# Allegro board 20250806_UNOQ.brd (continued)
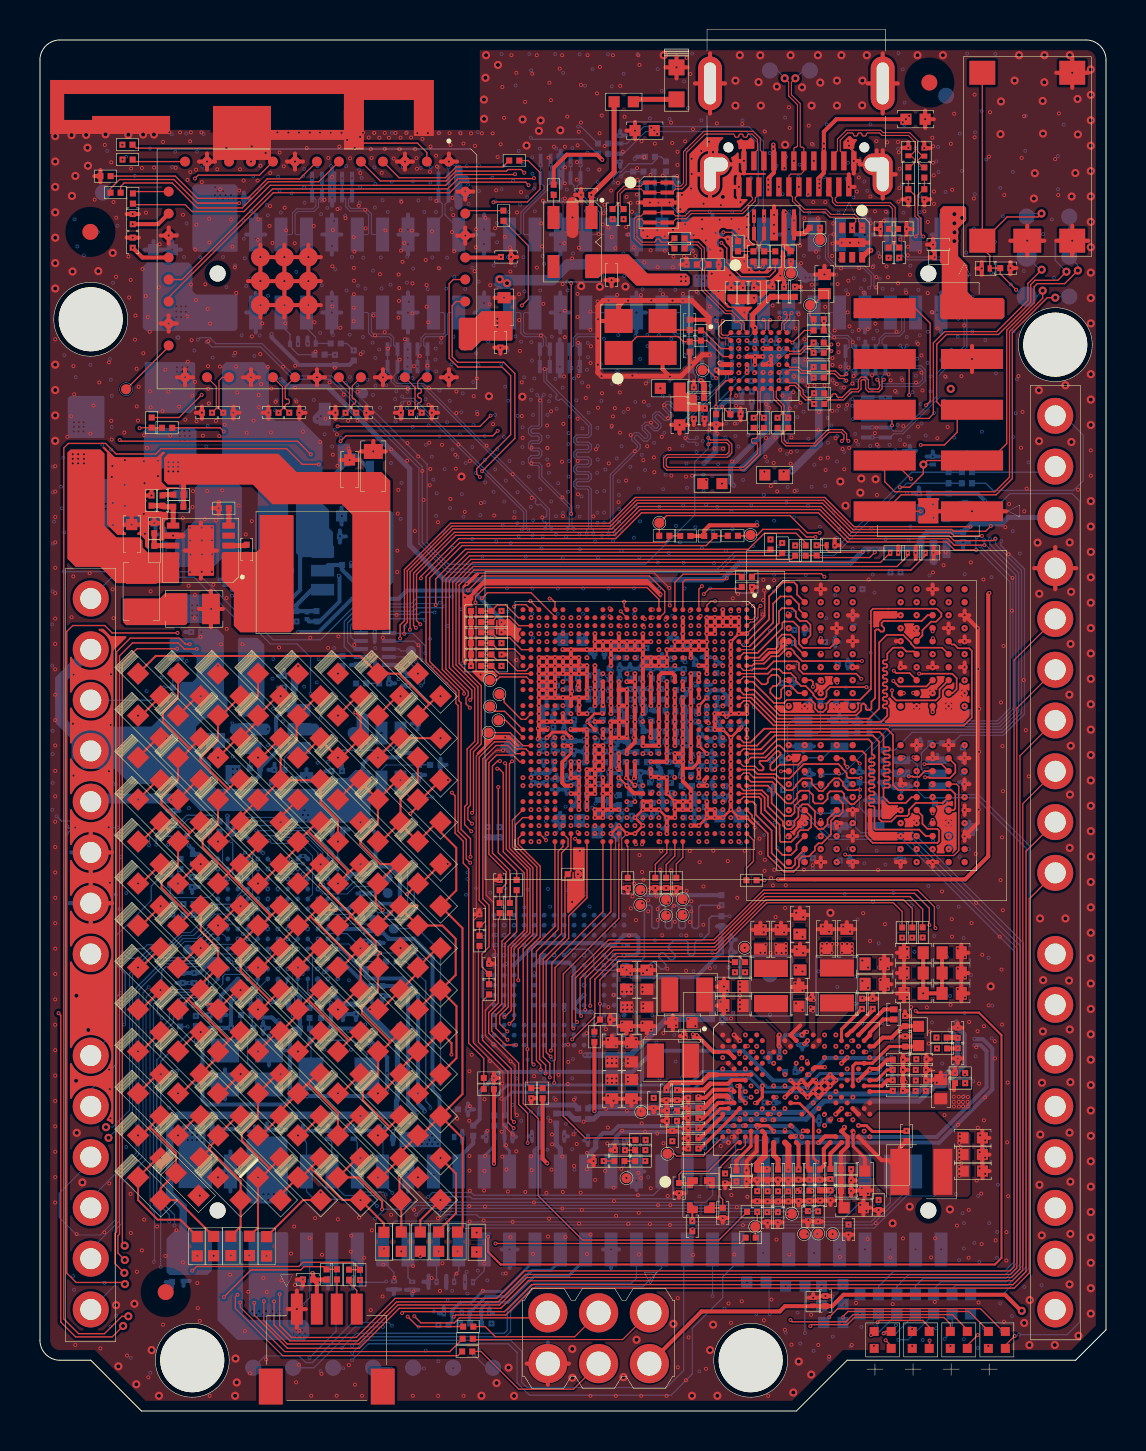
[diagram p0: board, top side]
## Footprints (pads in the part's own frame, mm; a bottom-side part is the same pattern mirrored in y, then rotated) (continued)
  round 0.25 smd: A1(5.8,-5.6) A2(5.4,-5.6) A3(5,-5.6) A4(4.6,-5.6) A5(4.2,-5.6) A7(3.4,-5.6) A8(3,-5.6) A10(2.2,-5.6) A11(1.8,-5.6) A13(1,-5.6) A14(0.6,-5.6) A15(0.2,-5.6) A16(-0.2,-5.6) A17(-0.6,-5.6) A19(-1.4,-5.6) A20(-1.8,-5.6) A22(-2.6,-5.6) A23(-3,-5.6) A25(-3.8,-5.6) A26(-4.2,-5.6) A27(-4.6,-5.6) A28(-5,-5.6) A29(-5.4,-5.6) A30(-5.8,-5.6) AA1(5.8,2.4) AA2(5.4,2.4) AA3(5,2.4) AA4(4.6,2.4) AA5(4.2,2.4) AA6(3.8,2.4) AA7(3.4,2.4) AA8(3,2.4) AA9(2.6,2.4) AA11(1.8,2.4) AA12(1.4,2.4) AA14(0.6,2.4) AA16(-0.2,2.4) AA17(-0.6,2.4) AA18(-1,2.4) AA19(-1.4,2.4) AA20(-1.8,2.4) AA21(-2.2,2.4) AA22(-2.6,2.4) AA23(-3,2.4) AA24(-3.4,2.4) AA25(-3.8,2.4) AA26(-4.2,2.4) AA27(-4.6,2.4) AA28(-5,2.4) AA29(-5.4,2.4) AA30(-5.8,2.4) AB1(5.8,2.8) AB2(5.4,2.8) AB3(5,2.8) AB4(4.6,2.8) AB5(4.2,2.8) AB7(3.4,2.8) AB8(3,2.8) AB9(2.6,2.8) AB10(2.2,2.8) AB11(1.8,2.8) AB12(1.4,2.8) AB13(1,2.8) AB14(0.6,2.8) AB20(-1.8,2.8) AB21(-2.2,2.8) AB22(-2.6,2.8) AB23(-3,2.8) AB24(-3.4,2.8) AB25(-3.8,2.8) AB26(-4.2,2.8) AB27(-4.6,2.8) AB28(-5,2.8) AB29(-5.4,2.8) AB30(-5.8,2.8) AC2(5.4,3.2) AC3(5,3.2) AC4(4.6,3.2) AC5(4.2,3.2) AC6(3.8,3.2) AC7(3.4,3.2) AC8(3,3.2) AC9(2.6,3.2) AC10(2.2,3.2) AC11(1.8,3.2) AC12(1.4,3.2) AC13(1,3.2) AC14(0.6,3.2) AC15(0.2,3.2) AC16(-0.2,3.2) AC17(-0.6,3.2) AC18(-1,3.2) AC20(-1.8,3.2) AC21(-2.2,3.2) AC22(-2.6,3.2) AC23(-3,3.2) AC24(-3.4,3.2) AC25(-3.8,3.2) AC26(-4.2,3.2) AC27(-4.6,3.2) AC28(-5,3.2) AC29(-5.4,3.2) AD1(5.8,3.6) AD2(5.4,3.6) AD3(5,3.6) AD4(4.6,3.6) AD5(4.2,3.6) AD6(3.8,3.6) AD7(3.4,3.6) AD8(3,3.6) AD9(2.6,3.6) AD10(2.2,3.6) AD11(1.8,3.6) AD12(1.4,3.6) AD13(1,3.6) AD14(0.6,3.6) AD15(0.2,3.6) AD17(-0.6,3.6) AD18(-1,3.6) AD19(-1.4,3.6) AD27(-4.6,3.6) AD28(-5,3.6) AD29(-5.4,3.6) AD30(-5.8,3.6) AE1(5.8,4) AE2(5.4,4) AE3(5,4) AE4(4.6,4) AE5(4.2,4) AE6(3.8,4) AE7(3.4,4) AE8(3,4) AE9(2.6,4) AE10(2.2,4) AE11(1.8,4) AE12(1.4,4) AE13(1,4) AE14(0.6,4) AE15(0.2,4) AE17(-0.6,4) AE18(-1,4) AE19(-1.4,4) AE20(-1.8,4) AE21(-2.2,4) AE22(-2.6,4) AE23(-3,4) AE24(-3.4,4) AE25(-3.8,4) AE26(-4.2,4) AE27(-4.6,4) AE28(-5,4) AE29(-5.4,4) AE30(-5.8,4) AF2(5.4,4.4) AF3(5,4.4) AF4(4.6,4.4) AF5(4.2,4.4) AF6(3.8,4.4) AF7(3.4,4.4) AF8(3,4.4) AF9(2.6,4.4) AF10(2.2,4.4) AF11(1.8,4.4) AF12(1.4,4.4) AF13(1,4.4) AF14(0.6,4.4) AF15(0.2,4.4) AF16(-0.2,4.4) AF17(-0.6,4.4) AF18(-1,4.4) AF19(-1.4,4.4) AF20(-1.8,4.4) AF21(-2.2,4.4) AF22(-2.6,4.4) AF23(-3,4.4) AF24(-3.4,4.4) AF25(-3.8,4.4) AF26(-4.2,4.4) AF27(-4.6,4.4) AF28(-5,4.4) AF29(-5.4,4.4) AG1(5.8,4.8) AG2(5.4,4.8) AG3(5,4.8) AG4(4.6,4.8) AG5(4.2,4.8) AG6(3.8,4.8) AG7(3.4,4.8) AG8(3,4.8) AG9(2.6,4.8) AG10(2.2,4.8) AG11(1.8,4.8) AG12(1.4,4.8) AG13(1,4.8) AG14(0.6,4.8) AG15(0.2,4.8) AG16(-0.2,4.8) AG17(-0.6,4.8) AG18(-1,4.8) AG19(-1.4,4.8) AG20(-1.8,4.8) AG21(-2.2,4.8) AG22(-2.6,4.8) AG23(-3,4.8) AG24(-3.4,4.8) AG25(-3.8,4.8) AG26(-4.2,4.8) AG27(-4.6,4.8) AG28(-5,4.8) AG29(-5.4,4.8) AG30(-5.8,4.8) AH1(5.8,5.2) AH2(5.4,5.2) AH3(5,5.2) AH4(4.6,5.2) AH5(4.2,5.2) AH6(3.8,5.2) AH7(3.4,5.2) AH8(3,5.2) AH9(2.6,5.2) AH10(2.2,5.2) AH11(1.8,5.2) AH12(1.4,5.2) AH13(1,5.2) AH14(0.6,5.2) AH15(0.2,5.2) AH16(-0.2,5.2) AH17(-0.6,5.2) AH18(-1,5.2) AH19(-1.4,5.2) AH20(-1.8,5.2) AH21(-2.2,5.2) AH22(-2.6,5.2) AH23(-3,5.2) AH24(-3.4,5.2) AH25(-3.8,5.2) AH26(-4.2,5.2) AH27(-4.6,5.2) AH28(-5,5.2) AH29(-5.4,5.2) AH30(-5.8,5.2) AJ1(5.8,5.6) AJ2(5.4,5.6) AJ4(4.6,5.6) AJ5(4.2,5.6) AJ7(3.4,5.6) AJ8(3,5.6) AJ10(2.2,5.6) AJ11(1.8,5.6) AJ13(1,5.6) AJ14(0.6,5.6) AJ16(-0.2,5.6) AJ17(-0.6,5.6) AJ19(-1.4,5.6) AJ20(-1.8,5.6) AJ22(-2.6,5.6) AJ23(-3,5.6) AJ25(-3.8,5.6) AJ26(-4.2,5.6) AJ28(-5,5.6) AJ29(-5.4,5.6) AJ30(-5.8,5.6) B1(5.8,-5.2) B2(5.4,-5.2) B3(5,-5.2) B4(4.6,-5.2) B5(4.2,-5.2) B6(3.8,-5.2) B7(3.4,-5.2) B8(3,-5.2) B9(2.6,-5.2) B10(2.2,-5.2) B11(1.8,-5.2) B12(1.4,-5.2) B13(1,-5.2) B14(0.6,-5.2) B15(0.2,-5.2) B16(-0.2,-5.2) B17(-0.6,-5.2) B18(-1,-5.2) B19(-1.4,-5.2) B20(-1.8,-5.2) B21(-2.2,-5.2) B22(-2.6,-5.2) B23(-3,-5.2) B24(-3.4,-5.2) B25(-3.8,-5.2) B26(-4.2,-5.2) B27(-4.6,-5.2) B28(-5,-5.2) B29(-5.4,-5.2) B30(-5.8,-5.2) C1(5.8,-4.8) C2(5.4,-4.8) C3(5,-4.8) C4(4.6,-4.8) C5(4.2,-4.8) C6(3.8,-4.8) C7(3.4,-4.8) C8(3,-4.8) C9(2.6,-4.8) C10(2.2,-4.8) C11(1.8,-4.8) C12(1.4,-4.8) C13(1,-4.8) C14(0.6,-4.8) C15(0.2,-4.8) C16(-0.2,-4.8) C17(-0.6,-4.8) C18(-1,-4.8) C19(-1.4,-4.8) C20(-1.8,-4.8) C21(-2.2,-4.8) C22(-2.6,-4.8) C23(-3,-4.8) C24(-3.4,-4.8) C25(-3.8,-4.8) C26(-4.2,-4.8) C27(-4.6,-4.8) C28(-5,-4.8) C29(-5.4,-4.8) C30(-5.8,-4.8) D1(5.8,-4.4) D2(5.4,-4.4) D3(5,-4.4) D4(4.6,-4.4) D5(4.2,-4.4) D6(3.8,-4.4) D7(3.4,-4.4) D8(3,-4.4) D9(2.6,-4.4) D10(2.2,-4.4) D11(1.8,-4.4) D12(1.4,-4.4) D13(1,-4.4) D14(0.6,-4.4) D15(0.2,-4.4) D16(-0.2,-4.4) D17(-0.6,-4.4) D18(-1,-4.4) D19(-1.4,-4.4) D20(-1.8,-4.4) D21(-2.2,-4.4) D22(-2.6,-4.4) D23(-3,-4.4) D24(-3.4,-4.4) D25(-3.8,-4.4) D26(-4.2,-4.4) D27(-4.6,-4.4) D28(-5,-4.4) D29(-5.4,-4.4) D30(-5.8,-4.4) E1(5.8,-4) E2(5.4,-4) E3(5,-4) E4(4.6,-4) E5(4.2,-4) E6(3.8,-4) E7(3.4,-4) E8(3,-4) E9(2.6,-4) E10(2.2,-4) E11(1.8,-4) E12(1.4,-4) E13(1,-4) E14(0.6,-4) E15(0.2,-4) E16(-0.2,-4) E17(-0.6,-4) E18(-1,-4) E19(-1.4,-4) E20(-1.8,-4) E21(-2.2,-4) E22(-2.6,-4) E23(-3,-4) E24(-3.4,-4) E25(-3.8,-4) E26(-4.2,-4) E27(-4.6,-4) E29(-5.4,-4) F1(5.8,-3.6) F2(5.4,-3.6) F3(5,-3.6) F4(4.6,-3.6) F5(4.2,-3.6) F6(3.8,-3.6) F7(3.4,-3.6) F8(3,-3.6) F9(2.6,-3.6) F10(2.2,-3.6) F11(1.8,-3.6) F12(1.4,-3.6) F13(1,-3.6) F14(0.6,-3.6) F15(0.2,-3.6) F16(-0.2,-3.6) F17(-0.6,-3.6) F18(-1,-3.6) F19(-1.4,-3.6) F20(-1.8,-3.6) F21(-2.2,-3.6) F22(-2.6,-3.6) F23(-3,-3.6) F24(-3.4,-3.6) F25(-3.8,-3.6) F26(-4.2,-3.6) F27(-4.6,-3.6) F28(-5,-3.6) F29(-5.4,-3.6) F30(-5.8,-3.6) G1(5.8,-3.2) G2(5.4,-3.2) G3(5,-3.2) G4(4.6,-3.2) G5(4.2,-3.2) G6(3.8,-3.2) G8(3,-3.2) G9(2.6,-3.2) G10(2.2,-3.2) G11(1.8,-3.2) G12(1.4,-3.2) G13(1,-3.2) G14(0.6,-3.2) G15(0.2,-3.2) G16(-0.2,-3.2) G17(-0.6,-3.2) G18(-1,-3.2) G19(-1.4,-3.2) G20(-1.8,-3.2) G21(-2.2,-3.2) G22(-2.6,-3.2) G23(-3,-3.2) G24(-3.4,-3.2) G25(-3.8,-3.2) G26(-4.2,-3.2) G27(-4.6,-3.2) G28(-5,-3.2) G29(-5.4,-3.2) G30(-5.8,-3.2) H1(5.8,-2.8) H2(5.4,-2.8) H3(5,-2.8) H4(4.6,-2.8) H5(4.2,-2.8) H6(3.8,-2.8) H7(3.4,-2.8) H9(2.6,-2.8) H11(1.8,-2.8) H13(1,-2.8) H15(0.2,-2.8) H18(-1,-2.8) H20(-1.8,-2.8) H22(-2.6,-2.8) H24(-3.4,-2.8) H25(-3.8,-2.8) H26(-4.2,-2.8) H27(-4.6,-2.8) H28(-5,-2.8) H29(-5.4,-2.8) J1(5.8,-2.4) J2(5.4,-2.4) J3(5,-2.4) J4(4.6,-2.4) J5(4.2,-2.4) J6(3.8,-2.4) J7(3.4,-2.4) J9(2.6,-2.4) J10(2.2,-2.4) J11(1.8,-2.4) J12(1.4,-2.4) J13(1,-2.4) J14(0.6,-2.4) J15(0.2,-2.4) J16(-0.2,-2.4) J17(-0.6,-2.4) J18(-1,-2.4) J19(-1.4,-2.4) J20(-1.8,-2.4) J22(-2.6,-2.4) J24(-3.4,-2.4) J25(-3.8,-2.4) J26(-4.2,-2.4) J27(-4.6,-2.4) J28(-5,-2.4) J29(-5.4,-2.4) J30(-5.8,-2.4) K1(5.8,-2) K2(5.4,-2) K3(5,-2) K4(4.6,-2) K5(4.2,-2) K6(3.8,-2) K7(3.4,-2) K8(3,-2) K10(2.2,-2) K11(1.8,-2) K12(1.4,-2) K13(1,-2) K14(0.6,-2) K15(0.2,-2) K16(-0.2,-2) K17(-0.6,-2) K18(-1,-2) K19(-1.4,-2) K20(-1.8,-2) K22(-2.6,-2) K24(-3.4,-2) K25(-3.8,-2) K26(-4.2,-2) K27(-4.6,-2) K28(-5,-2) K29(-5.4,-2) K30(-5.8,-2) L2(5.4,-1.6) L3(5,-1.6) L4(4.6,-1.6) L5(4.2,-1.6) L6(3.8,-1.6) L7(3.4,-1.6) L8(3,-1.6) L10(2.2,-1.6) L11(1.8,-1.6) L12(1.4,-1.6) L13(1,-1.6) L14(0.6,-1.6) L15(0.2,-1.6) L16(-0.2,-1.6) L17(-0.6,-1.6) L18(-1,-1.6) L19(-1.4,-1.6) L20(-1.8,-1.6) L24(-3.4,-1.6) L25(-3.8,-1.6) L26(-4.2,-1.6) L27(-4.6,-1.6) L28(-5,-1.6) L29(-5.4,-1.6) L30(-5.8,-1.6) M1(5.8,-1.2) M2(5.4,-1.2) M3(5,-1.2) M4(4.6,-1.2) M5(4.2,-1.2) M6(3.8,-1.2) M7(3.4,-1.2) M8(3,-1.2) M10(2.2,-1.2) M11(1.8,-1.2) M13(1,-1.2) M15(0.2,-1.2) M16(-0.2,-1.2) M17(-0.6,-1.2) M18(-1,-1.2) M19(-1.4,-1.2) M22(-2.6,-1.2) M23(-3,-1.2) M24(-3.4,-1.2) M25(-3.8,-1.2) M26(-4.2,-1.2) M27(-4.6,-1.2) M28(-5,-1.2) M29(-5.4,-1.2) M30(-5.8,-1.2) N1(5.8,-0.8) N2(5.4,-0.8) N3(5,-0.8) N4(4.6,-0.8) N5(4.2,-0.8) N7(3.4,-0.8) N8(3,-0.8) N9(2.6,-0.8) N11(1.8,-0.8) N13(1,-0.8) N15(0.2,-0.8) N17(-0.6,-0.8) N19(-1.4,-0.8) N20(-1.8,-0.8) N21(-2.2,-0.8) N24(-3.4,-0.8) N25(-3.8,-0.8) N26(-4.2,-0.8) N27(-4.6,-0.8) N28(-5,-0.8) N29(-5.4,-0.8) P2(5.4,-0.4) P3(5,-0.4) P4(4.6,-0.4) P5(4.2,-0.4) P6(3.8,-0.4) P7(3.4,-0.4) P8(3,-0.4) P10(2.2,-0.4) P11(1.8,-0.4) P12(1.4,-0.4) P13(1,-0.4) P14(0.6,-0.4) P15(0.2,-0.4) P17(-0.6,-0.4) P18(-1,-0.4) P19(-1.4,-0.4) P23(-3,-0.4) P24(-3.4,-0.4) P25(-3.8,-0.4) P26(-4.2,-0.4) P27(-4.6,-0.4) P28(-5,-0.4) P29(-5.4,-0.4) P30(-5.8,-0.4) R1(5.8,0) R2(5.4,0) R3(5,0) R4(4.6,0) R5(4.2,0) R6(3.8,0) R7(3.4,0) R9(2.6,0) R10(2.2,0) R11(1.8,0) R12(1.4,0) R13(1,0) R15(0.2,0) R16(-0.2,0) R17(-0.6,0) R19(-1.4,0) R20(-1.8,0) R22(-2.6,0) R23(-3,0) R25(-3.8,0) R27(-4.6,0) R28(-5,0) R29(-5.4,0) R30(-5.8,0) T1(5.8,0.4) T2(5.4,0.4) T3(5,0.4) T4(4.6,0.4) T5(4.2,0.4) T6(3.8,0.4) T7(3.4,0.4) T9(2.6,0.4) T10(2.2,0.4) T11(1.8,0.4) T13(1,0.4) T15(0.2,0.4) T17(-0.6,0.4) T19(-1.4,0.4) T20(-1.8,0.4) T22(-2.6,0.4) T23(-3,0.4) T25(-3.8,0.4) T26(-4.2,0.4) T27(-4.6,0.4) T28(-5,0.4) T29(-5.4,0.4) T30(-5.8,0.4) U2(5.4,0.8) U3(5,0.8) U4(4.6,0.8) U5(4.2,0.8) U6(3.8,0.8) U7(3.4,0.8) U10(2.2,0.8) U11(1.8,0.8) U13(1,0.8) U15(0.2,0.8) U17(-0.6,0.8) U19(-1.4,0.8) U20(-1.8,0.8) U21(-2.2,0.8) U22(-2.6,0.8) U23(-3,0.8) U26(-4.2,0.8) U27(-4.6,0.8) U28(-5,0.8) U29(-5.4,0.8) V1(5.8,1.2) V2(5.4,1.2) V3(5,1.2) V4(4.6,1.2) V5(4.2,1.2) V6(3.8,1.2) V7(3.4,1.2) V8(3,1.2) V9(2.6,1.2) V10(2.2,1.2) V11(1.8,1.2) V12(1.4,1.2) V13(1,1.2) V14(0.6,1.2) V15(0.2,1.2) V16(-0.2,1.2) V17(-0.6,1.2) V18(-1,1.2) V19(-1.4,1.2) V21(-2.2,1.2) V23(-3,1.2) V24(-3.4,1.2) V26(-4.2,1.2) V27(-4.6,1.2) V28(-5,1.2) V29(-5.4,1.2) V30(-5.8,1.2) W1(5.8,1.6) W2(5.4,1.6) W3(5,1.6) W4(4.6,1.6) W5(4.2,1.6) W6(3.8,1.6) W9(2.6,1.6) W10(2.2,1.6) W11(1.8,1.6) W13(1,1.6) W14(0.6,1.6) W16(-0.2,1.6) W17(-0.6,1.6) W18(-1,1.6) W19(-1.4,1.6) W20(-1.8,1.6) W21(-2.2,1.6) W22(-2.6,1.6) W23(-3,1.6) W24(-3.4,1.6) W26(-4.2,1.6) W27(-4.6,1.6) W28(-5,1.6) W29(-5.4,1.6) W30(-5.8,1.6) Y2(5.4,2) Y3(5,2) Y4(4.6,2) Y5(4.2,2) Y6(3.8,2) Y8(3,2) Y9(2.6,2) Y10(2.2,2) Y11(1.8,2) Y12(1.4,2) Y13(1,2) Y15(0.2,2) Y16(-0.2,2) Y17(-0.6,2) Y18(-1,2) Y19(-1.4,2) Y20(-1.8,2) Y21(-2.2,2) Y22(-2.6,2) Y23(-3,2) Y24(-3.4,2) Y26(-4.2,2) Y27(-4.6,2) Y28(-5,2) Y29(-5.4,2)
C0201_H04_T30
  rect 0.381x0.305 smd: 1(0,0.252) 2(0,-0.252)
C0201_H030
  rect 0.305x0.305 smd: 1(0,0.254) 2(0,-0.254)
C0201_H040
  rect 0.305x0.305 smd: 1(0,0.254) 2(0,-0.254)
C0201_H060
  rect 0.305x0.305 smd: 1(0,0.254) 2(0,-0.254)
C0402_H07_T30
  rect 0.65x0.56 smd: 1(0,0.48) 2(0,-0.48)
C0402_H060
  rect 0.559x0.559 smd: 1(0,0.483) 2(0,-0.483)
C0603_H090
  rect 0.95x0.75 smd: 1(0,0.75) 2(0,-0.75)
C0603_H100
  rect 0.95x0.75 smd: 1(0,0.75) 2(0,-0.75)
C0805_H150
  rect 1.524x0.9 smd: 1(0,0.832) 2(0,-0.832)
CHOKE_60X59_H45_INPAQ
  rect 5.7x1.6 smd: 1(0,2.35) 2(0,-2.35)
CHOKE_200X160_H100_A
  rect 1.7x0.85 smd: 1(0,0.875) 2(0,-0.875)
D_06X03_H04_INPAQ
  rect 0.3x0.25 smd: 1(0,-0.2) 2(0,0.2)
D_06X03_H030_TOSHIBA
  rect 0.32x0.21 smd: 1(0,0.2) 2(0,-0.2)
DFN6P_16_PAD13X05_05H070P13X045
  rect 0.53x0.3 smd: 1(0.735,-0.5) 2(0.735,0) 3(0.735,0.5) 4(-0.735,0.5) 5(-0.735,0) 6(-0.735,-0.5)
  rect 0.45x1.3 smd: 7(0,0)
DFN6P_16X10_05_H070
  rect 0.675x0.2 smd: 1(0.438,-0.5) 2(0.438,0) 5(-0.438,0) 6(-0.438,-0.5)
  rect 0.775x0.4 smd: 3(0.388,0.5) 4(-0.388,0.5)
DFN10P_25X10_05_H070_SE
  rect 0.675x0.2 smd: 1(0.438,-1) 2(0.438,-0.5) 4(0.438,0.5) 5(0.438,1) 6(-0.438,1) 7(-0.438,0.5) 9(-0.438,-0.5) 10(-0.438,-1)
  rect 0.675x0.4 smd: 3(0.438,0)
  rect 1.55x0.4 smd: 8(0,0)
DFN12_30_0D5_H08_P25X13_DRR
  rect 0.62x0.3 smd: 1(1.39,-1.25) 2(1.39,-0.75) 3(1.39,-0.25) 4(1.39,0.25) 5(1.39,0.75) 6(1.39,1.25) 7(-1.39,1.25) 8(-1.39,0.75) 9(-1.39,0.25) 10(-1.39,-0.25) 11(-1.39,-0.75) 12(-1.39,-1.25)
  rect 1.3x2.5 smd: 13(0,0)
HEAD2X3_76X50_2D54_H87_M_PIP
  round 1.96 hole 1.21: 1(0,0) 2(0,2.54) 3(2.54,0) 4(2.54,2.54) 5(5.08,0) 6(5.08,2.54)
HEAD2X5P_127X62_254_H970_M
  rect 3.11x1 smd: 1(2.185,-5.08) 2(-2.185,-5.08) 3(2.185,-2.54) 4(-2.185,-2.54) 5(2.185,0) 6(-2.185,0) 7(2.185,2.54) 8(-2.185,2.54) 9(2.185,5.08) 10(-2.185,5.08)
HEAD2X30_385X50_1D27_H48_F_R_P
  round 0.8 hole 0.8 unplated: (0,-17.78) (0,17.78)
  rect 1.7x0.65 smd: 1(1.95,-18.415) 2(-1.95,-18.415) 3(1.95,-17.145) 4(-1.95,-17.145) 5(1.95,-15.875) 6(-1.95,-15.875) 7(1.95,-14.605) 8(-1.95,-14.605) 9(1.95,-13.335) 10(-1.95,-13.335) 11(1.95,-12.065) 12(-1.95,-12.065) 13(1.95,-10.795) 14(-1.95,-10.795) 15(1.95,-9.525) 16(-1.95,-9.525) 17(1.95,-8.255) 18(-1.95,-8.255) 19(1.95,-6.985) 20(-1.95,-6.985) 21(1.95,-5.715) 22(-1.95,-5.715) 23(1.95,-4.445) 24(-1.95,-4.445) 25(1.95,-3.175) 26(-1.95,-3.175) 27(1.95,-1.905) 28(-1.95,-1.905) 29(1.95,-0.635) 30(-1.95,-0.635) 31(1.95,0.635) 32(-1.95,0.635) 33(1.95,1.905) 34(-1.95,1.905) 35(1.95,3.175) 36(-1.95,3.175) 37(1.95,4.445) 38(-1.95,4.445) 39(1.95,5.715) 40(-1.95,5.715) 41(1.95,6.985) 42(-1.95,6.985) 43(1.95,8.255) 44(-1.95,8.255) 45(1.95,9.525) 46(-1.95,9.525) 47(1.95,10.795) 48(-1.95,10.795) 49(1.95,12.065) 50(-1.95,12.065) 51(1.95,13.335) 52(-1.95,13.335) 53(1.95,14.605) 54(-1.95,14.605) 55(1.95,15.875) 56(-1.95,15.875) 57(1.95,17.145) 58(-1.95,17.145) 59(1.95,18.415) 60(-1.95,18.415)
HEAD14_387X25_2D54_H87_F
  round 1.8 hole 1.05: 1(0,0) 2(2.54,0) 3(5.08,0) 4(7.62,0) 5(10.16,0) 6(12.7,0) 7(15.24,0) 8(17.78,0) 9(22.86,0) 10(25.4,0) 11(27.94,0) 12(30.48,0) 13(33.02,0) 14(35.56,0)
HEAD18_477X25_2D54_H87_F
  round 1.8 hole 1.05: 1(0,0) 2(2.54,0) 3(5.08,0) 4(7.62,0) 5(10.16,0) 6(12.7,0) 7(15.24,0) 8(17.78,0) 9(21.84,0) 10(24.38,0) 11(26.92,0) 12(29.46,0) 13(32,0) 14(34.54,0) 15(37.08,0) 16(39.62,0) 17(42.16,0) 18(44.7,0)
L_25X20_H10_D
  rect 2.3x0.95 smd: 1(0,1.075) 2(0,-1.075)
LED4_10X10_A1_H04
  rect 0.45x0.45 smd: 1(0.425,-0.425) 2(-0.425,-0.425) 3(-0.425,0.425) 4(0.425,0.425)
LED0603_H050
  rect 0.8x0.8 smd: 1(0,0.8) 2(0,-0.8)
LED0603_H090
  rect 0.8x0.8 smd: 1(0,0.8) 2(0,-0.8)
MODULE51_160X120_1D1_H26_LITEON
  round 0.5 smd: 1(5.37,-6.6) 2(5.37,-5.5) 3(5.37,-4.4) 4(5.37,-3.3) 5(5.37,-2.2) 6(5.37,-1.1) 7(5.37,0) 8(5.37,1.1) 9(5.37,2.2) 10(5.37,3.3) 11(5.37,4.4) 12(5.37,5.5) 13(5.37,6.6) 14(3.87,7.42) 15(2.77,7.42) 16(1.67,7.42) 17(0.57,7.42) 18(-0.53,7.42) 19(-1.63,7.42) 20(-2.73,7.42) 21(-3.83,7.42) 22(-5.42,6.6) 23(-5.42,5.5) 24(-5.42,4.4) 25(-5.42,3.3) 26(-5.42,2.2) 27(-5.42,1.1) 28(-5.42,0) 29(-5.42,-1.1) 30(-5.42,-2.2) 31(-5.42,-3.3) 32(-5.42,-4.4) 33(-5.42,-5.5) 34(-5.42,-6.6) 35(-3.83,-7.42) 36(-2.73,-7.42) 37(-1.63,-7.42) 38(-0.53,-7.42) 39(0.57,-7.42) 40(1.67,-7.42) 41(2.77,-7.42) 42(3.87,-7.42)
  round 0.94 smd: 43(0.59,0.43) 44(-0.61,0.43) 45(-1.81,0.43) 46(0.59,1.63) 47(-0.61,1.63) 48(-1.81,1.63) 49(0.59,2.83) 50(-0.61,2.83) 51(-1.81,2.83)
QFN12P_20X17_04_H060
  custom 0.7x0.3 smd: 1(0.7,-0.8)
  rect 0.7x0.2 smd: 2(0.7,-0.4) 3(0.7,0) 4(0.7,0.4) 5(0.7,0.8) 7(-0.7,0.8) 8(-0.7,0.4) 9(-0.7,0) 10(-0.7,-0.4) 11(-0.7,-0.8)
  rect 0.2x0.7 smd: 6(0,0.85) 12(0,-0.85)
R0201_H030
  rect 0.305x0.305 smd: 1(0,0.254) 2(0,-0.254)
R0402_H040
  rect 0.559x0.559 smd: 1(0,0.483) 2(0,-0.483)
R0603_H060
  rect 0.95x0.75 smd: 1(0,0.75) 2(0,-0.75)
R01005_H020
  rect 0.254x0.203 smd: 1(0,0.171) 2(0,-0.171)
R1206_H080
  rect 1.7x1.1 smd: 1(0,1.45) 2(0,-1.45)
SB0201#2
  rect 0.305x0.305 smd: 1(0,0.267)
  rect 0.305x0.559 smd: 2(0,-0.14)
SMA_H240
  rect 1.7x2 smd: 1(0,2.05) 2(0,-2.05)
SOD323FL_H090_UM
  rect 0.44x0.74 smd: 1(0,1.15) 2(0,-1.15)
SOT23_5P_29X28_H150
  rect 1.15x0.6 smd: 1(-1.225,0.95) 2(-1.225,0) 3(-1.225,-0.95) 4(1.225,-0.95) 5(1.225,0.95)
SOT23_6P_29X28_H110
  rect 1.15x0.6 smd: 1(1.225,-0.95) 2(1.225,0) 3(1.225,0.95) 4(-1.225,0.95) 5(-1.225,0) 6(-1.225,-0.95)
SOT23_6P_29X28_H150
  rect 1.15x0.6 smd: 1(1.225,-0.95) 2(1.225,0) 3(1.225,0.95) 4(-1.225,0.95) 5(-1.225,0) 6(-1.225,-0.95)
SOT23_29X24_H110
  rect 1.15x0.6 smd: 1(1.025,-0.95) 2(1.025,0.95) 3(-1.025,0)
SOT323_21X20_H110
  rect 0.9x0.4 smd: 1(0.9,-0.65) 2(0.9,0.65) 3(-0.9,0)
SOT363_6P_21X20_H110
  rect 0.9x0.4 smd: 1(0.9,-0.65) 2(0.9,0) 3(0.9,0.65) 4(-0.9,0.65) 5(-0.9,0) 6(-0.9,-0.65)
SOT363_6P_22X21_H110
  rect 0.9x0.4 smd: 1(0.9,-0.65) 2(0.9,0) 3(0.9,0.65) 4(-0.9,0.65) 5(-0.9,0) 6(-0.9,-0.65)
SW5_85X64_H34_P12
  rect 1.2x1.3 smd: 1(4.2,-2.25) 2(-4.2,-2.25) 3(4.2,2.25) 4(-4.2,2.25)
  rect 1.2x1.4 smd: 5(4.2,0)
TP20MIL
  round 0.508 smd: 1(0,0)
TP32MIL_OSP
  round 0.813 smd: 1(0,0)
TP40MIL
  round 1.016 smd: 1(0,0)
TRES0201_H030
  rect 0.305x0.305 smd: 1(0,0.254) 2(0,-0.254)
unnamed#2
  round 3.2 hole 3.2 unplated: (0,0)
unnamed#3
  round 0.8 smd: (0,0)
USB2X12_89X81_H35
  round 0.5 hole 0.5 unplated: (1.85,3.4) (1.85,-3.4)
  rect 0.95x0.27 smd: A1(3.825,2.625) A2(3.825,2.125) A3(3.825,1.625) A4(3.825,1.125) A5(3.825,0.625) A6(3.825,0.125) A7(3.825,-0.375) A8(3.825,-0.875) A9(3.825,-1.375) A10(3.825,-1.875) A11(3.825,-2.375) A12(3.825,-2.875) B1(2.525,-2.625) B2(2.525,-2.125) B3(2.525,-1.625) B4(2.525,-1.125) B5(2.525,-0.625) B6(2.525,-0.125) B7(2.525,0.375) B8(2.525,0.875) B9(2.525,1.375) B10(2.525,1.875) B11(2.525,2.375) B12(2.525,2.875)
  oval 2.1x1 hole 1.7x0.6: S1(3.2,4.32) S2(3.2,-4.32)
  oval 1.1x1.4 hole 0.7x1.2: S3(2.7,4.02) S4(2.7,-4.02)
  oval 2.7x1.2 hole 2.1x0.6: S5(-1.35,4.32) S6(-1.35,-4.32)
WTB4_60X51_1_H32_D90
  rect 1.55x0.6 smd: 1(2.05,1.5) 2(2.05,0.5) 3(2.05,-0.5) 4(2.05,-1.5)
  rect 1.8x1.2 smd: 5(-1.825,2.8) 6(-1.825,-2.8)
XTAL2P_32X15_H090
  rect 1.65x1.25 smd: 1(0,1.4) 2(0,-1.4)
XTAL4P_16X12_H070_TXC
  custom 0.55x0.55 smd: 1(0.425,-0.625) 2(0.425,0.625) 3(-0.425,0.625) 4(-0.425,-0.625)
XTAL4P_32X25_H080
  rect 1.2x1.4 smd: 1(0.85,-1.1) 2(0.85,1.1) 3(-0.85,1.1) 4(-0.85,-1.1)
XTAL4P_32X25_H080_HOSONIC
  rect 1.2x1.4 smd: 1(0.8,-1.1) 2(0.8,1.1) 3(-0.8,1.1) 4(-0.8,-1.1)

## Nets
5V_BUCK_BOOT: C2813.2 U2803.4
5V_BUCK_C: C2810.2 C2811.1
5V_BUCK_EN: R2811.2 R2812.1 U2803.9
5V_BUCK_FB: C2814.2 R2814.2 R2815.1 U2803.7
5V_BUCK_FB_C: C2814.1 R2816.2
5V_BUCK_OUT: C2815.1 C2816.1 D2803.1 L2803.2 R2814.1 R2816.1
5V_BUCK_RT: R2813.1 U2803.6
5V_BUCK_SW: C2813.1 L2803.1 U2803.1 U2803.2 U2803.3
5V_BUCK_VIN: C2810.1 C2812.1 D2802.2(CATHODE) R2811.1 U2803.10 U2803.11 U2803.12(VIN#12)
5V_SYS: C2801.1 C2802.1 D2801.2(CATHODE) D2803.2(CATHODE) Q2801.2(S) R2801.1 R2809.1 U2801.4(VIN)
5V_USB_VBUS: C2607.1 C2608.1 C2611.1 C2617.1 C2621.1 C2622.1 D2801.1 D26017.2 D26097.2 JANALOG1.5 JMISC1.54 JMISC1.56 JSPI1.2 JUSB1.A4 JUSB1.A9 JUSB1.B4 JUSB1.B9(VBUS#B9) U2604.6(VBUS#6)
5V_USB_VBUS_ON_N: Q2801.1 Q2802.3 R2809.2
AVDD1P0V: C3010.1 C3011.1 C3012.1 R3011.2 U3001.A4 U3001.C5 U3001.C6 U3001.F5
AVDD1P8V: C3007.1 C3008.1 C3009.1 R3010.2 R3024.1 U3001.E3 U3001.F3
AVDD3P0V: C3001.1 C3002.1 C3003.1 C3026.1 U3001.C4 U3004.5(OUT)
DVDD1P0V: C3004.1 C3005.1 C3006.1 R3009.2 U3001.D6 U3001.E5 U3001.E6
DVDD1P8V: C3013.1 C3014.1 C3015.1 R3012.2 R3022.1 R3023.1 R3025.1 R3026.1 R3027.1 U3001.F4
GND: ANT1.2 C502.2 C503.2 C504.2 C505.2 C506.2 C507.2 C508.2 C509.2 C510.2 C511.2 C512.2 C601.2 C602.2 C603.2 C604.2 C605.2 C606.2 C607.2 C608.2 C610.2 C701.2 C702.2 C704.2 C705.2 C706.2 C707.2 C708.2 C709.2 C710.2 C711.2 C712.2 C713.2 C714.2 C715.2 C716.2 C717.2 C718.2 C719.2 C721.2 C801.2 C802.2 C803.2 C804.2 C805.2 C806.2 C807.2 C808.2 C809.2 C810.2 C811.2 C812.2 C813.2 C814.2 C815.2 C816.2 C817.2 C818.2 C819.2 C820.2 C821.2 C822.2 C823.2 C824.2 C825.2 C826.2 C827.2 C828.2 C829.2 C830.2 C831.2 C832.2 C901.2 C902.2 C1001.2 C1002.2 C1003.2 C1004.2 C1005.2 C1006.2 C1007.2 C1008.2 C1009.2 C1010.2 C1011.2 C1012.2 C1101.2 C1102.2 C1103.2 C1104.2 C1105.2 C1106.2 C1201.2 C1202.2 C1203.2 C1601.2 C1602.2 C1603.2 C1604.2 C1701.2 C1702.2 C1703.2 C1704.2 C1705.2 C1706.2 C1707.2 C1708.2 C1709.2 C1710.2 C1711.2 C1712.2 C1713.2 C1714.2 C1715.2 C1716.2 C1717.2 C1718.2 C1719.2 C1720.2 C1721.2 C1722.2 C1723.2 C1724.2 C1725.2 C1727.2 C1728.2 C1729.2 C1730.2 C1731.2 C1732.2 C1733.2 C1734.2 C1735.2 C1736.2 C1737.2 C1738.2 C1739.2 C1740.2 C1741.2 C1742.2 C1743.2 C1801.2 C1802.2 C1803.2 C1804.2 C1805.2 C1806.2 C1807.2 C1808.2 C1809.2 C1810.2 C1811.2 C1812.2 C1813.2 C1814.2 C1815.2 C1816.2 C1817.2 C1818.2 C1819.2 C1820.2 C1821.2 C1822.2 C1823.2 C1824.2 C1825.2 C1826.2 C1827.2 C1828.2 C1829.2 C1830.2 C1831.2 C1833.2 C1834.2 C1835.2 C1836.2 C1837.2 C1838.2 C1839.2 C1840.2 C1841.2 C1842.2 C1843.2 C1844.2 C1845.2 C1846.2 C1847.2 C1848.2 C1849.2 C1850.2 C1851.2 C1901.2 C1902.2 C1903.2 C1904.2 C1905.2 C1906.2 C1907.2 C1908.2 C1909.2 C1910.2 C1911.2 C1912.2 C1913.2 C1914.2 C1915.2 C1916.2 C1917.2 C1918.2 C1919.2 C1920.2 C1921.2 C1922.2 C1923.2 C1924.2 C1925.2 C1926.2 C1927.2 C1928.2 C1929.2 C1930.2 C1931.2 C1932.2 C1933.2 C1934.2 C1935.2 C1936.2 C1937.2 C1938.2 C1939.2 C1940.2 C2101.2 C2102.2 C2103.2 C2104.2 C2105.2 C2106.2 C2107.2 C2201.2 C2202.2 C2203.2 C2204.2 C2205.2 C2206.2 C2207.2 C2208.2 C2209.2 C2210.2 C2211.2 C2212.2 C2213.2 C2214.2 C2215.2 C2216.2 C2217.2 C2218.2 C2219.2 C2220.2 C2501.2 C2502.2 C2503.2 C2504.2 C2505.2 C2506.2 C2507.2 C2508.2 C2509.2 C2510.2 C2511.2 C2512.2 C2513.2 C2514.2 C2515.2 C2516.2 C2517.2 C2518.2 C2519.2 C2520.2 C2521.2 C2522.2 C2523.2 C2524.2 C2525.2 C2526.2 C2527.2 C2528.2 C2529.2 C2605.2 C2607.2 C2608.2 C2609.2 C2610.2 C2611.2 C2614.2 C2615.2 C2616.2 C2617.2 C2618.2 C2619.2 C2620.2 C2621.2 C2622.2 C2623.2 C2624.2 C2625.2 C2626.2 C2631.2 C2632.2 C2633.2 C2701.2 C2702.2 C2703.2 C2704.2 C2705.2 C2706.2 C2801.2 C2802.2 C2804.2 C2805.2 C2806.2 C2808.2 C2809.2 C2811.2 C2812.2 C2815.2 C2816.2 C2901.2 C2907.2 C2909.2 C2911.2 C2912.2 C2921.2 C2922.2 C2923.2 C2924.2 C3001.2 C3002.2 C3003.2 C3004.2 C3005.2 C3006.2 C3007.2 C3008.2 C3009.2 C3010.2 C3011.2 C3012.2 C3013.2 C3014.2 C3015.2 C3016.2 C3017.2 C3018.2 C3021.2 C3022.2 C3025.2 C3026.2 C3027.2 C3028.2 D26001.1 D26002.1 D26003.1 D26005.1 D26006.1 D26007.1 D26008.1 D26009.1 D26017.1 D26046.1 D26047.1 D26048.1 D26049.1 D26050.1 D26051.1 D26063.1 D26064.1 D26065.1 D26066.1 D26067.1 D26069.1 D26070.1 D26071.1 D26072.1 D26073.1 D26074.1 D26075.1 D26076.1 D26087.1 D26088.1 D26089.1 D26090.1 D26091.1 D26092.1 D26093.1 D26094.1 D26097.1 D26099.1 D26100.1 D26101.1 D26102.1 D26103.1 D26104.1 D26105.1 D26201.1 D27201.2(CATHODE) DRAM1.A3 DRAM1.A10 DRAM1.AB3 DRAM1.AB5 DRAM1.AB8 DRAM1.AB10 DRAM1.C1 DRAM1.C5 DRAM1.C8 DRAM1.C12 DRAM1.D2 DRAM1.D4 DRAM1.D9 DRAM1.D11 DRAM1.E1 DRAM1.E5 DRAM1.E8 DRAM1.E12 DRAM1.G1 DRAM1.G3 DRAM1.G5 DRAM1.G8 DRAM1.G10 DRAM1.G12 DRAM1.J1 DRAM1.J3 DRAM1.J10 DRAM1.J12 DRAM1.K2 DRAM1.K4 DRAM1.K9 DRAM1.K11 DRAM1.N2 DRAM1.N4 DRAM1.N9 DRAM1.N11 DRAM1.P1 DRAM1.P3 DRAM1.P10 DRAM1.P12 DRAM1.T1 DRAM1.T3 DRAM1.T5 DRAM1.T8 DRAM1.T10 DRAM1.T12 DRAM1.V1 DRAM1.V5 DRAM1.V8 DRAM1.V12 DRAM1.W2 DRAM1.W4 DRAM1.W9 DRAM1.W11 DRAM1.Y1 DRAM1.Y5 DRAM1.Y8 DRAM1.Y12(VSS_57) EMMC1.A6 EMMC1.C4 EMMC1.E7 EMMC1.G5 EMMC1.H10 EMMC1.J5 EMMC1.K8 EMMC1.N2 EMMC1.N5 EMMC1.P4 EMMC1.P6 JANALOG1.6 JANALOG1.7 JBTN1.3 JBTN1.4 JBTN1.5 JCTL1.1 JCTL1.7 JDIGITAL1.15 JMEDIA1.1 JMEDIA1.2 JMEDIA1.7 JMEDIA1.8 JMEDIA1.13 JMEDIA1.14 JMEDIA1.19 JMEDIA1.20 JMEDIA1.25 JMEDIA1.26 JMEDIA1.31 JMEDIA1.32 JMEDIA1.37 JMEDIA1.38 JMEDIA1.43 JMEDIA1.44 JMEDIA1.49 JMEDIA1.50 JMEDIA1.55 JMEDIA1.56 JMISC1.26 JMISC1.27 JMISC1.35 JMISC1.44 JMISC1.58 JSPI1.6 JUSB1.A1 JUSB1.A12 JUSB1.B1 JUSB1.B12 JUSB1.S1 JUSB1.S2 JUSB1.S3 JUSB1.S4 JUSB1.S5 JUSB1.S6 MCU1.B2 MCU1.B4 MCU1.B8 MCU1.B11 MCU1.E12(VSS_9) MCU1.F2 MCU1.H2 MCU1.J12 MCU1.K2 MCU1.M3 MCU1.M7 MCU1.M11 PMIC1.A3 PMIC1.A11 PMIC1.A19 PMIC1.B4 PMIC1.B24 PMIC1.C11 PMIC1.C19 PMIC1.E1 PMIC1.E23 PMIC1.F22 PMIC1.G1 PMIC1.H20 PMIC1.J13 PMIC1.J15 PMIC1.J17 PMIC1.J19 PMIC1.J21 PMIC1.K14 PMIC1.K16 PMIC1.K18 PMIC1.K20 PMIC1.L5 PMIC1.L13 PMIC1.L15 PMIC1.L17 PMIC1.L19 PMIC1.M12 PMIC1.M16 PMIC1.M18 PMIC1.P22 PMIC1.R21 PMIC1.V4 PMIC1.V26 PMIC1.W3 PMIC1.W7 PMIC1.W27 PMIC1.Y2 Q2707.1(E2) Q2707.4 Q2708.1(E2) Q2708.4 Q2709.1(E2) Q2709.4 Q2802.2(EMITTER) QWIIC1.1 R601.2 R604.2 R605.2 R606.2 R705.2 R707.2 R1202.2 R1203.2 R1208.2 R1304.2 R1306.2 R1308.2 R1310.2 R1312.2 R1314.2 R1316.2 R1318.2 R1320.2 R1522.2 R1601.2 R1602.1 R2113.2 R2515.2 R2621.2 R2660.2 R2661.2 R2664.2 R2665.2 R2803.2 R2806.2 R2810.2 R2812.2 R2813.2 R2815.2 R2909.1 R3001.2 R3002.2 R3020.2 RT701.2 RT1901.2 SOC1.A4 SOC1.A13 SOC1.A14 SOC1.A16 SOC1.A17 SOC1.A27 SOC1.AA6 SOC1.AA8 SOC1.AA9 SOC1.AA11 SOC1.AA12 SOC1.AA14 SOC1.AA16 SOC1.AA17 SOC1.AA18 SOC1.AA19 SOC1.AA20 SOC1.AB3 SOC1.AB7 SOC1.AB8 SOC1.AB9 SOC1.AB12 SOC1.AB13 SOC1.AB14 SOC1.AB22 SOC1.AB23 SOC1.AB24 SOC1.AB25 SOC1.AB26 SOC1.AC6 SOC1.AC7 SOC1.AC8 SOC1.AC9 SOC1.AC10 SOC1.AC11 SOC1.AC12 SOC1.AC13 SOC1.AC15 SOC1.AC16 SOC1.AC20 SOC1.AC21 SOC1.AC22 SOC1.AC24 SOC1.AC28 SOC1.AD3 SOC1.AD6 SOC1.AD7 SOC1.AD8 SOC1.AD9 SOC1.AD12 SOC1.AD14 SOC1.AD15 SOC1.AE7 SOC1.AE8 SOC1.AE9 SOC1.AE10 SOC1.AE11 SOC1.AE12 SOC1.AE15 SOC1.AE18 SOC1.AF7 SOC1.AF8 SOC1.AF9 SOC1.AF10 SOC1.AF11 SOC1.AF12 SOC1.AF15 SOC1.AF16 SOC1.AG3 SOC1.AG5 SOC1.AG7 SOC1.AG8 SOC1.AG9 SOC1.AG10 SOC1.AG11 SOC1.AG12 SOC1.AG13 SOC1.AG14 SOC1.AG15 SOC1.AG16 SOC1.AG17 SOC1.AG20 SOC1.AG22 SOC1.AG24 SOC1.AG26 SOC1.AG28 SOC1.B2 SOC1.B3 SOC1.B4 SOC1.B14 SOC1.B16 SOC1.B27 SOC1.C2 SOC1.C3 SOC1.C5 SOC1.C6 SOC1.C7 SOC1.C8 SOC1.C9 SOC1.C10 SOC1.C11 SOC1.C12 SOC1.C13 SOC1.C14 SOC1.C17 SOC1.C18 SOC1.C19 SOC1.C20 SOC1.C21 SOC1.C22 SOC1.C23 SOC1.C24 SOC1.C25 SOC1.C26 SOC1.D1 SOC1.D2 SOC1.D3 SOC1.D14 SOC1.D16 SOC1.D27 SOC1.E2 SOC1.E3 SOC1.E4 SOC1.E14 SOC1.E15 SOC1.E16 SOC1.E26 SOC1.E27 SOC1.F2 SOC1.F3 SOC1.F4 SOC1.F5 SOC1.F6 SOC1.F7 SOC1.F8 SOC1.F9 SOC1.F22 SOC1.F23 SOC1.F25 SOC1.F26 SOC1.F27 SOC1.F29 SOC1.G5 SOC1.G6 SOC1.G8 SOC1.G11 SOC1.G12 SOC1.G19 SOC1.G20 SOC1.G23 SOC1.G28 SOC1.H2 SOC1.H5 SOC1.H6 SOC1.H7 SOC1.H24 SOC1.H25 SOC1.H26 SOC1.H28 SOC1.J2 SOC1.J3 SOC1.J4 SOC1.J5 SOC1.J6 SOC1.J12 SOC1.J13 SOC1.J14 SOC1.J15 SOC1.J16 SOC1.J17 SOC1.J18 SOC1.J19 SOC1.J20 SOC1.J22 SOC1.J25 SOC1.J26 SOC1.J29 SOC1.K5 SOC1.K6 SOC1.K10 SOC1.K19 SOC1.K20 SOC1.K25 SOC1.K26 SOC1.K27 SOC1.L3 SOC1.L6 SOC1.L7 SOC1.L8 SOC1.L24 SOC1.L27 SOC1.L28 SOC1.L29 SOC1.M7 SOC1.M8 SOC1.M10 SOC1.M11 SOC1.M13 SOC1.M15 SOC1.M16 SOC1.M17 SOC1.M18 SOC1.M22 SOC1.M26 SOC1.N5 SOC1.N7 SOC1.N8 SOC1.N21 SOC1.N25 SOC1.N26 SOC1.P4 SOC1.P5 SOC1.P6 SOC1.P7 SOC1.P8 SOC1.P10 SOC1.P11 SOC1.P12 SOC1.P13 SOC1.P14 SOC1.P17 SOC1.P18 SOC1.P25 SOC1.P26 SOC1.P28 SOC1.R5 SOC1.R6 SOC1.R23 SOC1.R27 SOC1.R29 SOC1.T5 SOC1.T6 SOC1.T9 SOC1.T11 SOC1.T13 SOC1.T15 SOC1.T17 SOC1.T20 SOC1.T22 SOC1.T29 SOC1.U4 SOC1.U5 SOC1.U6 SOC1.U10 SOC1.U11 SOC1.U13 SOC1.U15 SOC1.U17 SOC1.U26 SOC1.U28 SOC1.V5 SOC1.V6 SOC1.V7 SOC1.V8 SOC1.V15 SOC1.V16 SOC1.V17 SOC1.V18 SOC1.V19 SOC1.V21 SOC1.V23 SOC1.V24 SOC1.V26 SOC1.V29 SOC1.W5 SOC1.W6 SOC1.W9 SOC1.W10 SOC1.W11 SOC1.W13 SOC1.W22 SOC1.W23 SOC1.W24 SOC1.W26 SOC1.W27 SOC1.Y4 SOC1.Y5 SOC1.Y6 SOC1.Y26 SOC1.Y27 U1101.6 U1102.2 U2501.2 U2601.3 U2601.8 U2602.3 U2602.8 U2604.7 U2605.3 U2605.8 U2606.3 U2606.8 U2607.3 U2607.4 U2608.3 U2608.8 U2609.3 U2609.8 U2610.3 U2610.8 U2611.3 U2611.8 U2612.3 U2612.8 U2801.2 U2802.2 U2802.5 U2803.8 U2803.13 U2901.1 U2901.3 U2901.8 U2901.12 U2901.16 U2901.20 U2901.22 U2901.25 U2901.28 U2901.31 U2901.34 U2901.40 U2901.42 U2901.43 U2901.44 U2901.45 U2901.46 U2901.47 U2901.48 U2901.49 U2901.50 U2901.51 U3001.D3 U3001.D4 U3001.D5 U3001.E4 U3004.2 Y2501.2 Y2501.4 Y3001.2 Y3001.4
VBAT: C607.1 C2626.1 D26101.2 JMISC1.60 PMIC1.N27 PMIC1.P26 PMIC1.R27 R603.2 R2807.2
VBAT_CONN_VSNS_P: PMIC1.R23 R603.1
VBUS_DIV8: R3019.2 R3020.1 U3001.E2
VBUS_POWER_SWITCH_DISABLE_N: JCTL1.10 SB2801.1
AMUX_1_TP: PMIC1.R19 TP703.1(TP)
ANT_CH0: ANT1.1 U2901.2
